# Altium PCB iCliQ_v1.PcbDoc
Units mm, origin at the board's own origin, x right, y up, seen from the top; angles counter-clockwise.
Board outline 70.5 x 34 mm, 4 copper layers (L1 (Signal), L2 (GND), L3 (GND), L4 (Signal)), stack 1.57 mm thick; 50 components, 34 nets, 172 pads, 106 vias.
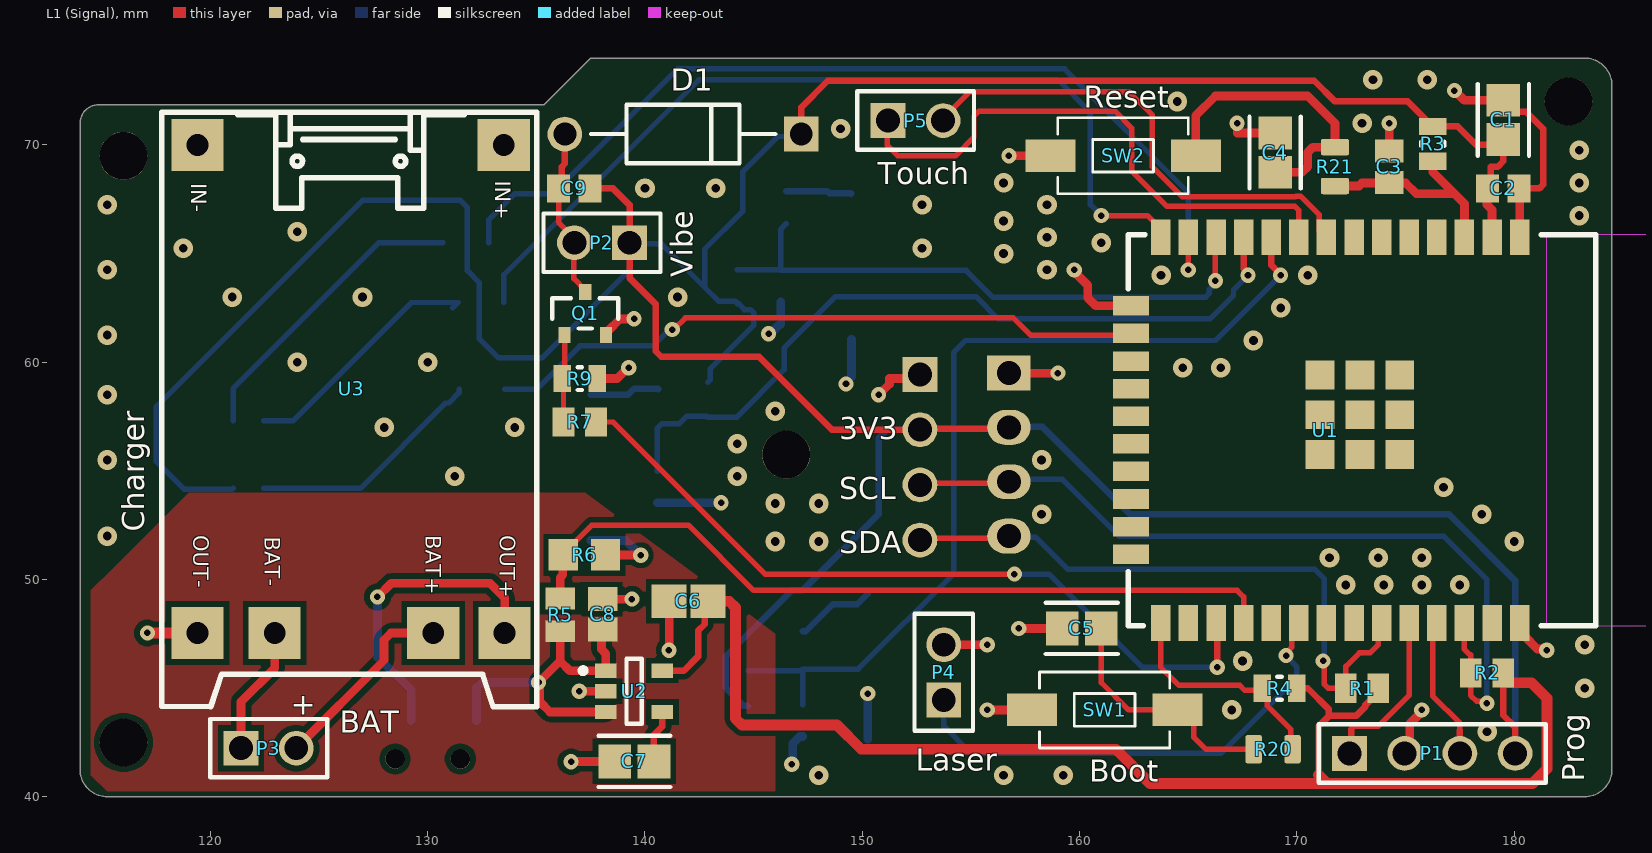
[diagram p0: L1 (Signal) view]
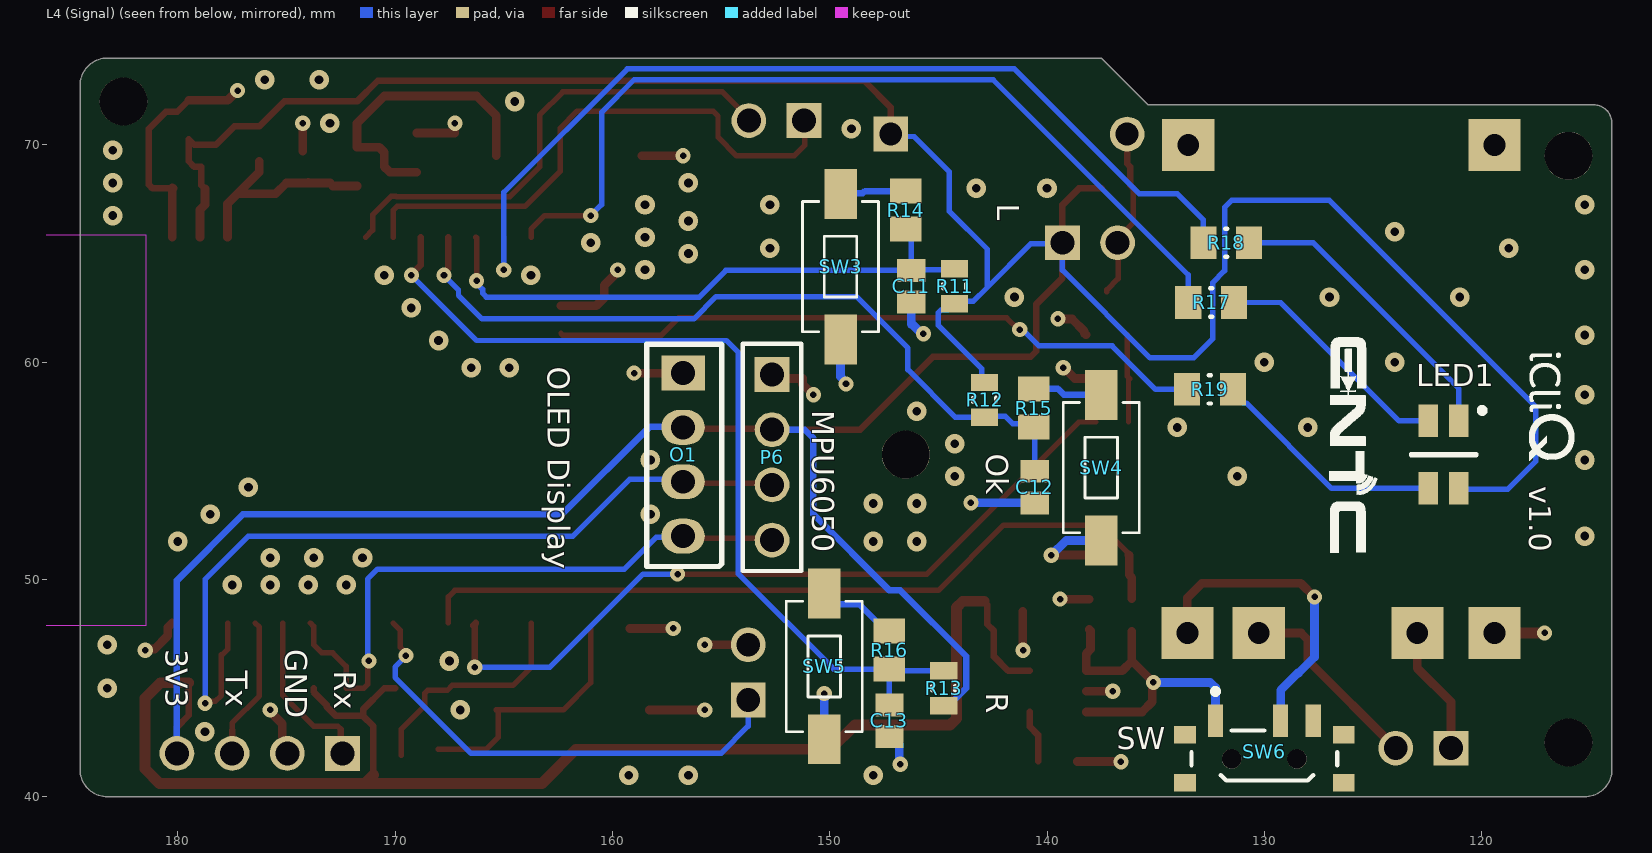
[diagram p1: L4 (Signal) view, seen from below]
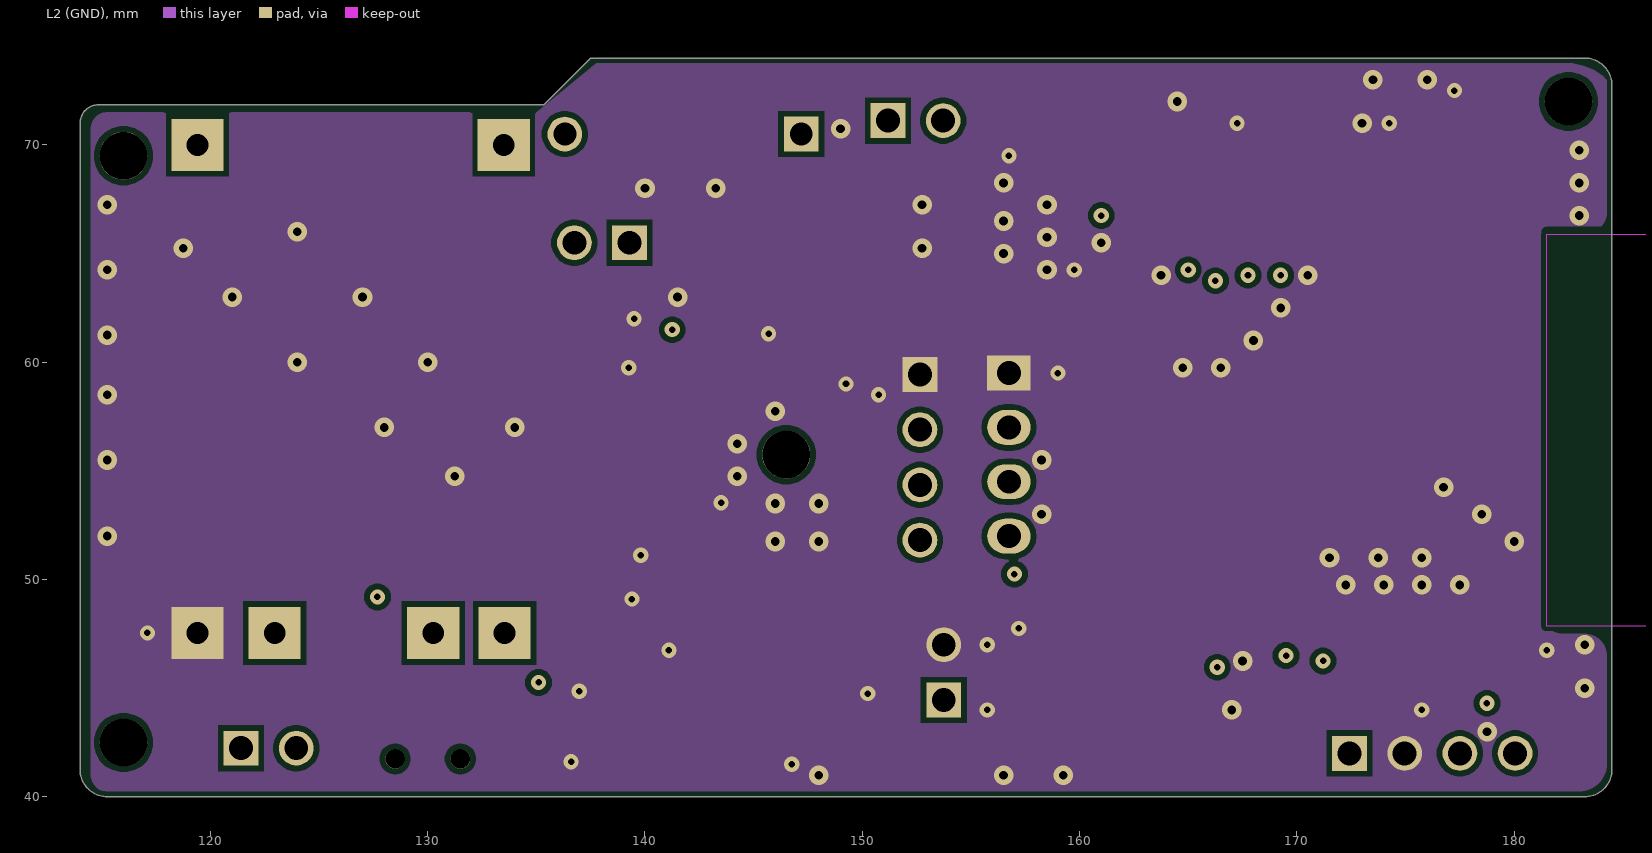
[diagram p2: L2 (GND)]
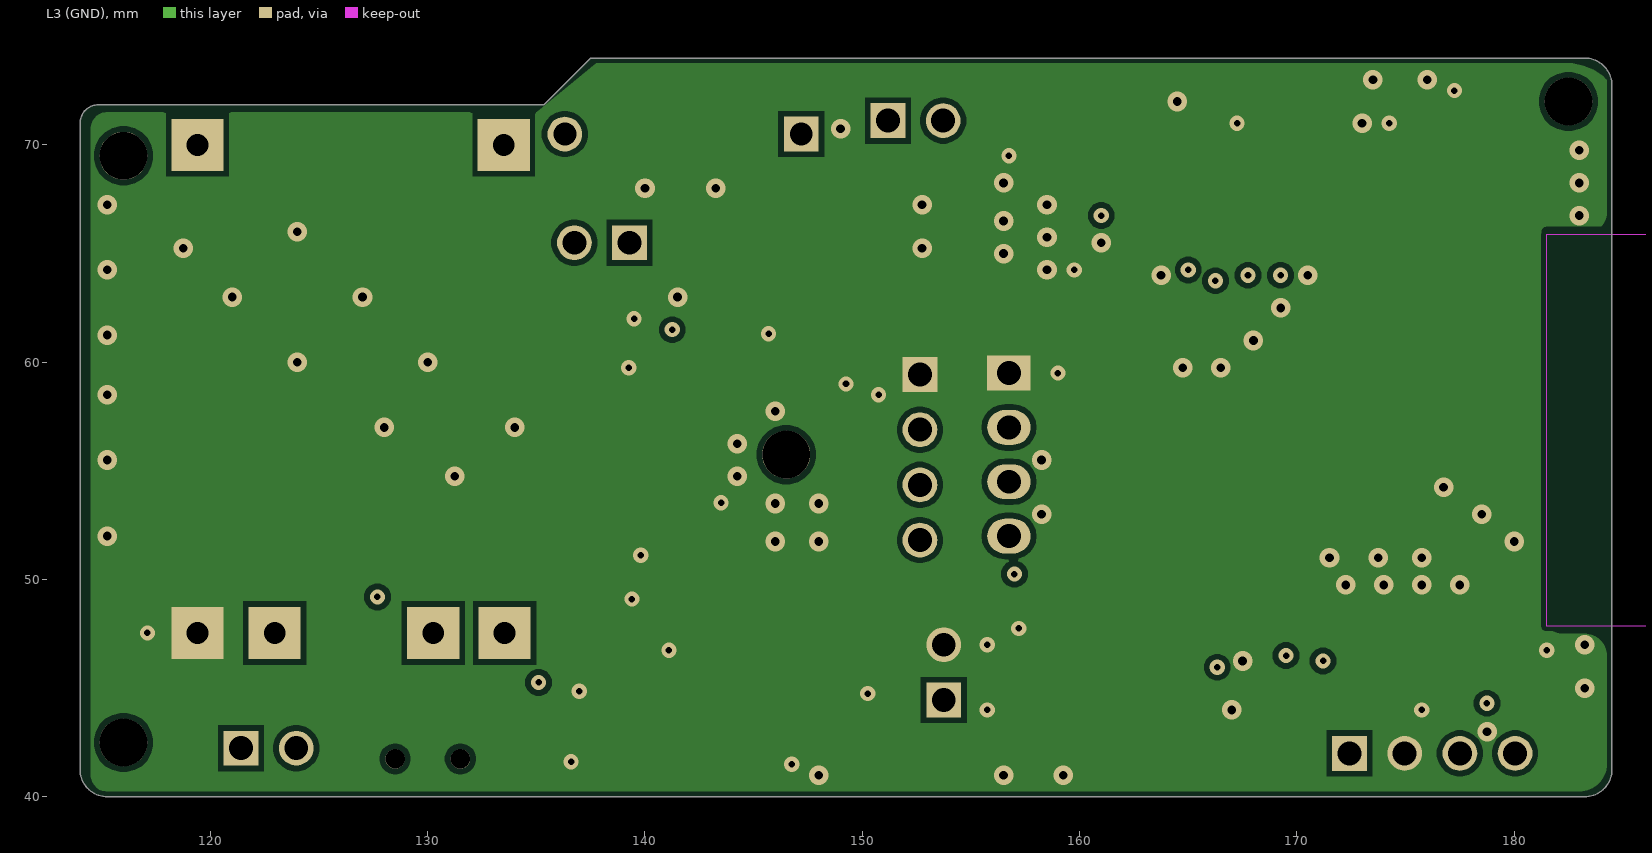
[diagram p3: L3 (GND)]
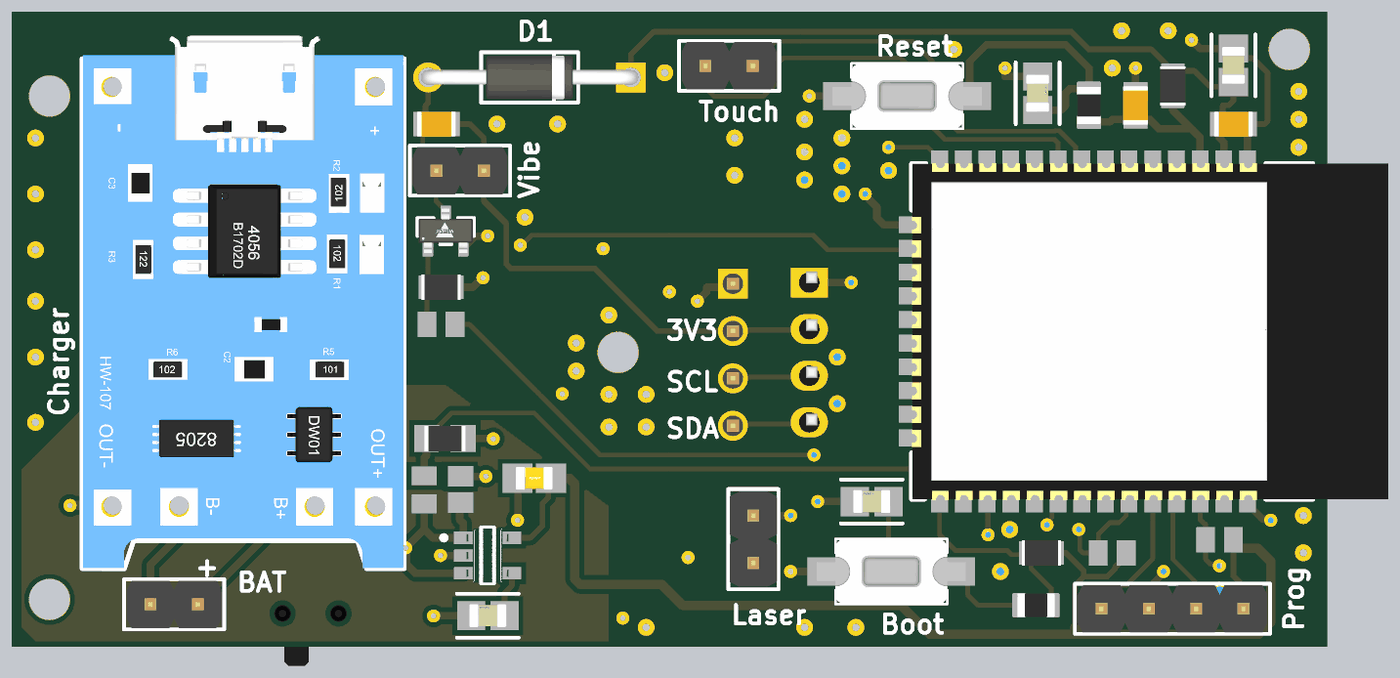
[diagram p4: 3D render of the assembled board from above, using the file's embedded part models]
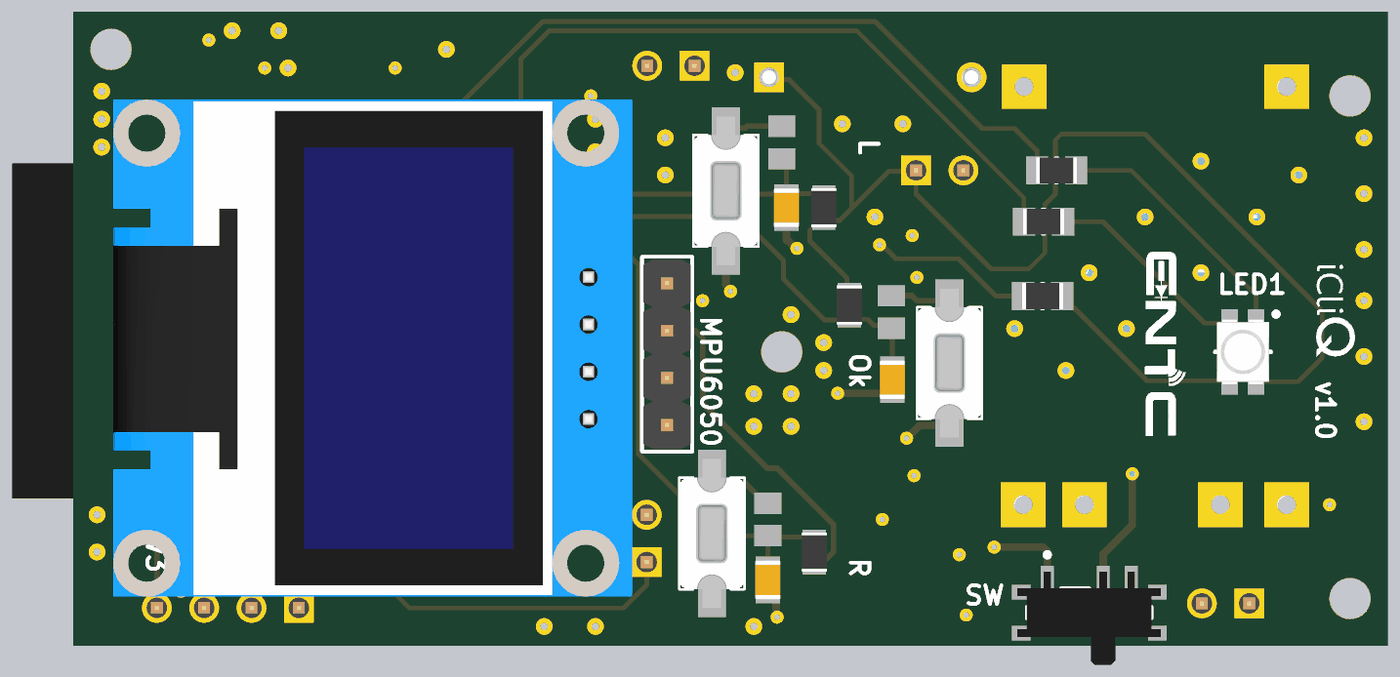
[diagram p5: 3D render of the assembled board from below, using the file's embedded part models]

## Layer stack, top to bottom
Top Solder: solder mask 0.0254, SM-001, Dk 4
L1 (Signal): signal copper 0.035
Dielectric 1: prepreg 0.2, PP-017, Dk 4.6
L2 (GND): signal copper 0.0175
Dielectric 3: core 1.065, Core-039, Dk 4.6
L3 (GND): signal copper 0.0175
Dielectric 5: prepreg 0.2, PP-017, Dk 4.6
L4 (Signal): signal copper 0.035
Bottom Solder: solder mask 0.0254, SM-001, Dk 4

## Board outline
114,41.27 114,71 cw(c114.842,71) 114.842,71.842 135.342,71.842 137.5,74 183.23,74 cw(c183.23,72.73) 184.5,72.73 184.5,41.27 cw(c183.23,41.27) 183.23,40 115.27,40 cw(c115.27,41.27)

## Design rules (kind name [scope] priority, off if disabled: settings)
Clearance [All] p1: gap=0.254 ignorepadtopadclearanceinfootprint=TRUE except(0.127: SMDPad-SMDPad; 0.2: Arc-Arc Arc-Track Arc-Text Track-Track Track-Text SMDPad-Text THPad-Text Via-Text Fill-Text Poly-Text Region-Text Text-Text Text-Hole; 0.33: Arc-THPad Track-THPad)
MinimumSolderMaskSliver [All] p1: minsoldermaskwidth=0.1
PolygonConnect [All] p1: connectstyle=Direct reliefconductorwidth=0.254 reliefentries=4 polygonreliefangle="90 Angle" airgapwidth=0.254
RoutingVias [All] p1: holewidth=0.3 width=0.7 viastyle="Through Hole" minholewidth=0.25 minwidth=0.55 maxholewidth=0.4 maxwidth=0.9
SilkToSilkClearance [All] p1: silktosilkclearance=0.15
SilkToSolderMaskClearance [IsPad] p1: minsilkscreentomaskgap=0.15 clearancetoexposedcopper=TRUE
SolderMaskExpansion [HasFootprint('No Footprint') And OnLayer('L1 (Signal)')] p1: expansion=0.038 istentingtop=FALSE
UnRoutedNet [All] p1: checkbadconnections=TRUE
Width [All] p1: maxlimit=1 minlimit=0.2 preferedwidth=0.3 midlayer1_minwidth=0.254 midlayer1_maxwidth=0.254 midlayer1_prefwidth=0.254 midlayer2_minwidth=0.254 midlayer2_maxwidth=0.254 midlayer2_prefwidth=0.254 minimp=50.000000 maximp=50.000000 favimp=50.000000
26 further rules are at their usual default settings.

## Components (designator, comment, footprint, x,y, rotation, side; value= is the part's Value field where it differs from the comment)
C1 "10uF 10V 0805" FP-C0805C-DG-IPC_A 179.5,71.151 r90 top value=10µF
C2 "Capacitor 100 nF +/-10% 50 V 0805" CAPC2013X95X50LL10T25 179.5,68 r0 top value=100nF
C3 "Capacitor 100 nF +/-10% 50 V 0805" CAPC2013X95X50LL10T25 174.25,69 r270 top value=100nF
C4 "1 nF 50V 0805" FP-C0805C-DN-IPC_A 169,69.651 r270 top value=1nF
C5 "1 nF 50V 0805" FP-C0805C-DN-IPC_A 160.099,47.75 r0 top value=1nF
C6 "2.2 uF 0805" FP-C0805C225K4RACAUTO-IPC_A 142,49 r0 top value=2.2µF
C7 "470 pF 0805" FP-C0805C-DN-IPC_A 139.51,41.631 r0 top value=470pF
C8 "1uF 10V 0805" CAPC2013X140X50LL20T25 138.049,48.398 r270 top value=1µF
C9 "Capacitor 100 nF +/-10% 50 V 0805" CAPC2013X95X50LL10T25 136.75,68 r0 top value=100nF
C11 "Capacitor 100 nF +/-10% 50 V 0805" CAPC2013X95X50LL10T25 146.25,63.5 r90 bottom value=100nF
C12 "Capacitor 100 nF +/-10% 50 V 0805" CAPC2013X95X50LL10T25 140.564,54.254 r90 bottom value=100nF
C13 "Capacitor 100 nF +/-10% 50 V 0805" CAPC2013X95X50LL10T25 147.25,43.5 r90 bottom value=100nF
D1 "1N4001-E3/54" FP-1N4001-E3-54-MFG 141.75,70.5 r180 top
LED1 "RGB LED SMD" 3528_A 121.75,55.75 r270 bottom
O1 "OLED_64" OLED_SSD1306_64 156.75,59.5 r180 bottom locked
P1 "4 pin Header" 61300411121 176.23,42 r0 top
P2 "2 pin header" 61300211121 138.02,65.5 r180 top
P3 "BAT_pins" 61300211121 122.682,42.24 r0 top
P4 "2 pin header" 61300211121 153.75,45.73 r90 top
P5 "Touch Pins" 61300211121 152.451,71.12 r0 top
P6 "MPU6050" 61300411121 152.654,55.626 r270 bottom
Q1 "SI2302 MOSFET" FP-S-03946-MFG 137.25,62.25 r90 top
R1 "2.2K 0805" RESC2013X60X40LL20T25 173,45 r0 top value=2.2k
R2 "2.2K 0805" RESC2013X60X40LL20T25 178.75,45.7 r0 top value=2.2k
R3 "10K 0805" RESC2013X60X35LL10T20 176.25,70.05 r90 top value=10k
R4 "10K 0805" RESC2013X60X35LL10T20 169.2,45 r0 top value=10k
R5 "27K 0805" RESC2013X60X40LL20T25 136.093,48.375 r270 top value=27k
R6 "Resistor 100k +/-1% 0805 125 mW" RESC2013X70X40ML20T20 137.211,51.13 r180 top value=100k
R7 "100 Ohm 0805" RESC2013X60X40LL20T25 137,57.25 r180 top value=100
R9 "10K 0805" RESC2013X60X35LL10T20 137,59.25 r180 top value=10k
R11 "10K 0805" RESC2013X60X35LL10T20 144.25,63.5 r270 bottom value=10k
R12 "10K 0805" RESC2013X60X35LL10T20 142.875,58.268 r90 bottom value=10k
R13 "10K 0805" RESC2013X60X35LL10T20 144.75,45 r270 bottom value=10k
R14 "Resistor 1K +/-5% 0805 500 mW." RESC2013X70X40NL20T20 146.5,67 r270 bottom value=1k
R15 "Resistor 1K +/-5% 0805 500 mW." RESC2013X70X40NL20T20 140.614,57.887 r270 bottom value=1k
R16 "Resistor 1K +/-5% 0805 500 mW." RESC2013X70X40NL20T20 147.25,46.75 r270 bottom value=1k
R17 "Resistor 0R +/- 1% 0805 125 mW" RESC2013X50X35ML15T15 132.45,62.75 r0 bottom value="120 Ohm"
R18 "Resistor 0R +/- 1% 0805 125 mW" RESC2013X50X35ML15T15 131.75,65.5 r0 bottom value="180 Ohm"
R19 "Resistor 0R +/- 1% 0805 125 mW" RESC2013X50X35ML15T15 132.5,58.75 r0 bottom value="120 Ohm"
R20 "Resistor 470R +/-5% 0805 125 mW" RESC0805(2012)_L 168.91,42.189 r0 top value=470
R21 "Resistor 470R +/-5% 0805 125 mW" RESC0805(2012)_L 171.75,69 r270 top value=470
SW1 "nav button" 434121050816 161.15,44 r0 top
SW2 "nav button" 434121050816 162,69.5 r0 top
SW3 "nav button" 434121050816 149.5,64.4 r90 bottom
SW4 "nav button" 434121050816 137.5,55.15 r90 bottom
SW5 "nav button" 434121050816 150.25,46 r90 bottom
SW6 "Switch_ALPS_SSSS811101_eec" ALPS_SSSS811101_0 130,41 r180 bottom
U1 "ESP32-WROOM-32D" ESP32-WROOM-32D 175.025,56.888 r270 top
U2 "3.3v LDO" FP-SOT23-5LD-PL-1-MFG 139.497,44.856 r0 top
U3 "TP4056_6PINS" TP4056_6PINs 126.388,58.062 r0 top locked

## Footprints (in the part's own frame and the unit in brackets; to place one, negate y for a bottom-side part, rotate by r counter-clockwise, add the part's x,y. Pads: shape width x height; smd on the part's side, far side on the other; paste and mask are expansions set on the pad)
3528_A [mm] "Chip LED, 4-Leads, Body 2.8x3.5mm (max), Pitch 1.42mm, IPC Medium Density"
  rect 1.5x0.9 smd: 1(1.55,0.707) 2(1.55,-0.71) 3(-1.55,0.707) 4(-1.55,-0.707)
  silkscreen extent -2.15,-1.5 0.03,1.9, body extent -1.75,-1.4 1.75,1.4, height 1.87
61300211121 [mm] "Pin Header, pitch 2.54 mm, THT, Vertical, single row, 2p"
  rect 1.6x1.6 hole 1.1: 1(-1.27,0)
  round 1.6 hole 1.1: 2(1.27,0)
  silkscreen extent -2.69,-1.35 2.69,1.35, body extent -2.54,-1.27 2.54,1.27, height 8.57
61300411121 [mm] "Pin Header, pitch 2.54 mm, THT, Vertical, single row, 4p"
  rect 1.6x1.6 hole 1.1: 1(-3.81,0)
  round 1.6 hole 1.1: 2(-1.27,0) 3(1.27,0) 4(3.81,0)
  silkscreen extent -5.23,-1.35 5.23,1.35, body extent -5.08,-1.27 5.08,1.27, height 8.57
434121050816 [mm] "6.0*3.5mm vertical type, SMD, height 5.0mm, black actuator, 160gf, T&R"
  rect 2.3x1.5 smd: 1(-3.35,0) 2(3.35,0)
  silkscreen extent -3,-1.75 3,1.75, body extent -4,-1.75 4,1.75, height 5
ALPS_SSSS811101_0 [mm]
  rect 0.7x1.5 smd paste+0 mask+0: 1(-2.25,2.5) 2(0.75,2.5) 3(2.25,2.5)
  rect 1x0.8 smd paste+0 mask+0: 4(-3.65,-0.35) 4(-3.65,1.85) 4(3.65,-0.35) 4(3.65,1.85)
  round 0.9 hole 0.9 unplated paste-1000 mask+0: ""(-1.5,0.75) ""(1.5,0.75)
  silkscreen extent -3.35,-0.25 3.35,3.97, body extent -3.85,-2.05 3.85,2.95, height 1.41
CAPC2013X95X50LL10T25 [mm] "Chip Capacitor, 2-Leads, Body 2.10x1.35mm, IPC High Density"
  rect 1.05x1.3 smd: 1(-0.725,0) 2(0.725,0)
  body extent -1.05,-0.67 1.05,0.67, height 0.95
CAPC2013X140X50LL20T25 [mm] "Chip Capacitor, 2-Leads, Body 2.00x1.25mm, IPC High Density"
  rect 1.1x1.35 smd: 1(-0.7,0) 2(0.7,0)
  body extent -1.1,-0.72 1.1,0.72, height 1.4
ESP32-WROOM-32D [mm] "Chip SMD 39 Pads 18x25.5mm w/ Antenna."
  rect 1.65x0.9 smd: 1(-8.862,5.224) 2(-8.862,3.954) 3(-8.862,2.684) 4(-8.862,1.414) 5(-8.862,0.144) 6(-8.862,-1.126) 7(-8.862,-2.396) 8(-8.862,-3.666) 9(-8.862,-4.936) 10(-8.862,-6.206) 11(-8.862,-7.476) 12(-8.862,-8.746) 13(-8.862,-10.016) 14(-8.862,-11.286) 25(8.888,-11.286) 26(8.888,-10.016) 27(8.888,-8.746) 28(8.888,-7.476) 29(8.888,-6.206) 30(8.888,-4.936) 31(8.888,-3.666) 32(8.888,-2.396) 33(8.888,-1.126) 34(8.888,0.144) 35(8.888,1.414) 36(8.888,2.684) 37(8.888,3.954) 38(8.888,5.224)
  rect 0.9x1.65 smd: 15(-5.707,-12.661) 16(-4.437,-12.661) 17(-3.167,-12.661) 18(-1.897,-12.661) 19(-0.627,-12.661) 20(0.643,-12.661) 21(1.913,-12.661) 22(3.183,-12.661) 23(4.453,-12.661) 24(5.723,-12.661)
  rect 1.33x1.33 smd: 39(-2.531,-0.292) 39(-2.531,-2.127) 39(-2.531,-3.962) 39(-0.696,-3.962) 39(-0.696,-0.292) 39(-0.696,-2.127) 39(1.139,-0.292) 39(1.139,-2.127) 39(1.139,-3.962)
  Keep-Out Layer region: -8.987,6.45 9.013,6.45 9.013,12.75 -8.987,12.75
  silkscreen extent -8.99,-12.79 9.01,8.72, body extent -9.02,-12.77 9.05,12.77, height 3
FP-1N4001-E3-54-MFG [mm]
  rect 1.6x1.6 hole 1.05 paste-1000 mask+0: 1(-5.438,0)
  round 1.6 hole 1.05 paste-1000 mask+0: 2(5.438,0)
  silkscreen extent -4.24,-1.35 4.24,1.35, body extent -5.83,-1.17 5.83,1.17, height 2.35
FP-C0805C225K4RACAUTO-IPC_A [mm]
  rect 1.603x1.556 smd paste+0 mask+0: 1(-0.9,0) 2(0.9,0)
  body extent -2.2,-1.28 2.2,1.28, height 0.25
FP-C0805C-DG-IPC_A [mm]
  rect 1.505x1.556 smd paste+0 mask+0: 1(-0.901,0) 2(0.901,0)
  silkscreen extent -1.65,-1.18 1.65,1.18, body extent -2.15,-1.28 2.15,1.28, height 0.25
FP-C0805C-DN-IPC_A [mm]
  rect 1.505x1.556 smd paste+0 mask+0: 1(-0.901,0) 2(0.901,0)
  silkscreen extent -1.65,-1.18 1.65,1.18, body extent -2.15,-1.28 2.15,1.28, height 0.25
FP-S-03946-MFG [mil]
  rect 29x22 smd paste+0 mask+0: 1(-39,37.5) 2(-39,-37.5) 3(39,0)
  silkscreen extent -28,-60 28,60, body extent -57,-64 57,64, height 10
FP-SOT23-5LD-PL-1-MFG [mm]
  rect 1x0.66 smd paste+0 mask+0: 1(-1.3,0.95) 2(-1.3,0) 3(-1.3,-0.95) 4(1.3,-0.95) 5(1.3,0.95)
  silkscreen extent -2.47,-1.5 0.35,1.5, body extent -1.4,-1.45 1.4,1.45, height 1.45
OLED_SSD1306_64 [mm]
  rect 2x1.6 hole 1.1: 1(0,0)
  oval 2x1.6 hole 1.1: 2(0,-2.5) 3(0,-5) 4(0,-7.5)
  silkscreen extent -1.68,-8.9 1.78,1.33, body extent -25.63,-16.9 2.23,9.8, height 8.47
RESC0805(2012)_L [mm] "Chip Resistor, Body 2.0x1.3mm, IPC High Density"
  rrect25% 0.76x1.3 smd: 1(-0.9,0) 2(0.89,0)
  body extent -1,-0.62 1,0.63, height 0.6
RESC2013X50X35ML15T15 [mm] "Chip Resistor, 2-Leads, Body 2.2x1.4mm, IPC Low Density"
  rect 1.2x1.5 smd: 1(-1.05,0) 2(1.05,0)
  silkscreen extent -0.05,-0.65 0.05,0.65, body extent -1.1,-0.7 1.1,0.7, height 0.5
RESC2013X60X35LL10T20 [mm] "Chip Resistor, 2-Leads, Body 2.1x1.35mm, IPC High Density"
  rect 0.8x1.25 smd: 1(-0.8,0) 2(0.8,0)
  silkscreen extent -0.1,-0.53 0.1,0.53, body extent -1.05,-0.67 1.05,0.68, height 0.6
RESC2013X60X40LL20T25 [mm] "Chip Resistor, 2-Leads, Body 2.00x1.25mm, IPC High Density"
  rect 1x1.35 smd: 1(-0.75,0) 2(0.75,0)
  body extent -1.1,-0.72 1.1,0.72, height 0.6
RESC2013X70X40ML20T20 [mm] "Chip Resistor, 2-Leads, Body 2.2x1.35mm, IPC Low Density"
  rect 1.35x1.45 smd: 1(-0.975,0) 2(0.975,0)
  body extent -1.1,-0.67 1.1,0.67, height 0.7
RESC2013X70X40NL20T20 [mm] "Chip Resistor, 2-Leads, Body 2.00x1.25mm, IPC Medium Density"
  rect 1.15x1.45 smd: 1(-0.875,0) 2(0.875,0)
  body extent -1.1,-0.72 1.1,0.72, height 0.7
TP4056_6PINs [mm] "MODULE BATTERY CHARGER 6 PINS"
  rect 2.4x2.4 hole 1: 1(-6.985,-10.52) 2(-3.431,-10.52) 3(3.87,-10.52) 4(7.151,-10.52) 5(7.112,11.938) 6(-6.985,11.938)
  silkscreen extent -8.64,-13.92 8.64,13.44, body extent -8.6,-13.88 8.6,14.67, height 4.22

## Part data
C1: library part CMP-001-00085-1, "Ceramic Capacitor, Multilayer, Ceramic, 10V, 10% +Tol, 10% -Tol, X5R, 15% TC, 10uF, Surface Mount, 0805", Capacitor Type=Ceramic, Case/Package=0805, Max Operating Temperature=85°C, Min Operating Temperature=-55°C, Mounting Technology="Surface Mount", Pins=2, RoHS Compliant=Yes
C2 C3 C9 C11 C12 C13: library part CMP-001-00018-6, "Chip Capacitor, 100 nF, +/- 10%, 50 V, 0805 (2012 Metric)", Capacitor Type=Ceramic, Case/Package=0805, Max Operating Temperature=125°C, Min Operating Temperature=-55°C, Tolerance=10%, Voltage Rating=50V, Mounting Technology=SM, Pins=2, RoHS Compliant=True
C4 C5: library part CMP-001-00087-1, "Ceramic Capacitor, Multilayer, Ceramic, 50V, 5% +Tol, 5% -Tol, C0G, 30ppm/Cel TC, 0.001uF, Surface Mount, 0805", Capacitor Type=Ceramic, Case/Package=0805, Max Operating Temperature=125°C, Min Operating Temperature=-55°C, Mounting Technology="Surface Mount", Pins=2, RoHS Compliant=Yes
C6: library part CMP-001-00091-1, "Ceramic Capacitor, Multilayer, Ceramic, 16V, 10% +Tol, 10% -Tol, X7R, 15% TC, 2.2uF, Surface Mount, 0805", Capacitor Type=Ceramic, Case/Package=0805, Max Operating Temperature=125°C, Min Operating Temperature=-55°C, Mounting Technology="Surface Mount", Pins=2, RoHS Compliant=Yes
C7: library part CMP-001-00088-1, "Ceramic Capacitor, Multilayer, Ceramic, 50V, 10% +Tol, 10% -Tol, X7R, 15% TC, 0.00047uF, Surface Mount, 0805", Capacitor Type=Ceramic, Case/Package=0805, Max Operating Temperature=125°C, Min Operating Temperature=-55°C, Mounting Technology="Surface Mount", Pins=2, RoHS Compliant=Yes
C8: library part CMP-001-00086-1, "Ceramic Capacitor, Multilayer, Ceramic, 10V, 5% +Tol, 5% -Tol, X8L, 15% TC, 1uF, Surface Mount, 0805", Capacitor Type=Ceramic, Case/Package=0805, Max Operating Temperature=150°C, Min Operating Temperature=-55°C, Mounting Technology="Surface Mount", Pins=2, RoHS Compliant=Yes
D1: library part CMP-004-00031-1, "Rectifier Diode, 1 Phase, 1 Element, 1A, 50V V(RRM), Silicon, DO-204AL", Forward Voltage=1.1V, Max Operating Temperature=150°C, Min Operating Temperature=-50°C, Pins=2, RoHS Compliant=Yes
LED1: library part CMP-00030-00002-1, "Triple Color LED, Red/green/blue, Water Clear", RoHS Compliant=Yes
O1: "JST (JAPAN SOLDERLESS TERMINALS) - B8B-XH-A (LF)(SN) - HEADER, VERTICAL, 8WAY", Manufacturer=JST, Manufacturer Part Number=B8B-XH-A(LF)(SN), Supplier Part Number 1=455-2251-ND, ComponentLink1Description=https://www.verical.com/server-webapp/html/getDatasheet?partID=440408&src-supplier=Verical, ComponentLink1URL=https://www.verical.com/server-webapp/html/getDatasheet?partID=440408&src-supplier=Verical, No of Positions=8, Pitch="2.5 mm", Pricing 1="1=0.36, 10=0.341, 100=0.2387, 500=0.2046, 1000=0.1705, 5000=0.1461, 10000=0.1364 (USD)", Stock 1=29643, Style/Orientation="Straight Header/Plug", Supplier 1=Digi-Key, Termination=Crimp, Type="Shrouded Header"
P1 P6: library part CMP-002-00078-1, "Board Connector, 4 Contact(s), 1 Row(s), Male, Straight, 0.1 inch Pitch, Solder Terminal, Locking, Black Insulator, Plug", Max Operating Temperature=125°C, Min Operating Temperature=-40°C, Connector Type="BOARD CONNECTOR", Mounting Technology=Board, RoHS Compliant=Yes
P2 P3 P4 P5: library part CMP-002-00075-1, "Board Connector, 2 Contact(s), 1 Row(s), Male, Straight, 0.1 inch Pitch, Solder Terminal, Locking, Black Insulator, Plug", Max Operating Temperature=125°C, Min Operating Temperature=-40°C, Connector Type="BOARD CONNECTOR", Mounting Technology=Board, RoHS Compliant=Yes
Q1: library part CMP-011-00017-1, "Small Signal Field-Effect Transistor, 2.6A I(D), 20V, 1-Element, N-Channel, Silicon, Metal-oxide Semiconductor FET, TO-236AB", Max Operating Temperature=150°C, Pins=3, RoHS Compliant=Yes
R1 R2: library part CMP-009-00187-1, "Fixed Resistor, Thin Film, 0.125W, 2200ohm, 100V, 0.5% +/-Tol, 25ppm/Cel, Surface Mount, 0805", Case/Package=0805, Max Operating Temperature=155°C, Min Operating Temperature=-55°C, Power=125mW, Tolerance=0.5%, Mounting Technology="Surface Mount", Pins=2, RoHS Compliant=Yes
R3 R4 R11 R12 R13: library part CMP-009-00180-1, "Fixed Resistor, Metal Glaze/thick Film, 0.125W, 10000ohm, 150V, 1% +/-Tol, 100ppm/Cel, Surface Mount, 0805", Case/Package=0805, Max Operating Temperature=155°C, Min Operating Temperature=-55°C, Power=125mW, Tolerance=1%, Mounting Technology="Surface Mount", Pins=2, RoHS Compliant=Yes
R5: library part CMP-009-00191-1, "Fixed Resistor, Thin Film, 0.125W, 27000ohm, 100V, 0.1% +/-Tol, 25ppm/Cel, Surface Mount, 0805", Case/Package=0805, Max Operating Temperature=155°C, Min Operating Temperature=-55°C, Power=125mW, Tolerance=0.1%, Mounting Technology="Surface Mount", Pins=2, RoHS Compliant=Yes
R6: library part CMP-009-00024-5, "Chip Resistor, 100 KOhm, +/- 1%, 0.125 W, -55 to 155 degC, 0805 (2012 Metric)", Case/Package=0805, Max Operating Temperature=155°C, Min Operating Temperature=-55°C, Power=125mW, Tolerance=1%, Voltage Rating=150V, Mounting Technology=SM, Pins=2, RoHS Compliant=True
R7: library part CMP-009-00189-1, "Fixed Resistor, Thin Film, 0.125W, 100ohm, 100V, 0.1% +/-Tol, 25ppm/Cel, Surface Mount, 0805", Case/Package=0805, Max Operating Temperature=155°C, Min Operating Temperature=-55°C, Power=125mW, Tolerance=0.1%, Mounting Technology="Surface Mount", Pins=2, RoHS Compliant=Yes
R9: library part CMP-009-00181-1, "Fixed Resistor, Metal Glaze/thick Film, 0.125W, 10000ohm, 150V, 1% +/-Tol, 100ppm/Cel, Surface Mount, 0805", Case/Package=0805, Max Operating Temperature=155°C, Min Operating Temperature=-55°C, Power=125mW, Tolerance=1%, Mounting Technology="Surface Mount", Pins=2, RoHS Compliant=Yes
R14 R15 R16: library part CMP-009-00178-1, "Fixed Resistor, Metal Glaze/thick Film, 0.5W, 1000ohm, 400V, 5% +/-Tol, 200ppm/Cel, Surface Mount, 0805", Case/Package=0805, Max Operating Temperature=155°C, Min Operating Temperature=-55°C, Power=500mW, Tolerance=5%, Mounting Technology="Surface Mount", Pins=2, RoHS Compliant=Yes
R17 R18 R19: library part CMP-009-00001-5, "Chip Resistor, 0 Ohm, +/- 1%, 125 mW, -55 to 155 degC, 0805 (2012 Metric)", Case/Package=0805, Max Operating Temperature=155°C, Min Operating Temperature=-55°C, Power=125mW, Tolerance=1%, Voltage Rating=150V, Mounting Technology=SM, Pins=2, RoHS Compliant=True
R20 R21: library part CMP-009-00122-3, "Chip Resistor, 470 Ohms, +/-5%, 125 mW, -55 to 155 degC, 0805", Case/Package=0805, Max Operating Temperature=155°C, Min Operating Temperature=-55°C, Power=125mW, Tolerance=5%, Pins=2
SW1 SW2 SW3 SW4 SW5: library part CMP-011-00016-1, "Keypad Switch, 1 Switches, SPST, Momentary-tactile, 0.05A, 12VDC, 2.06N, Solder Terminal, Surface Mount-straight", Max Operating Temperature=85°C, Min Operating Temperature=-40°C, Mounting Technology="Surface Mount", RoHS Compliant=Yes
SW6: Contact resistance=70mΩ, Manufacturer=ALPS, Mouser Part Number=688-SSSS811101, Package=SMD_SW_SPDT, Part Number=ON/OFF, Rating (max.)/(min.) (Resistive load)="0.3A 5V DC/50µA 3V DC", Temperature="-40°C to +85°C", Temperature Range High=+85°C, Temperature Range Low=-40°C, ComponentLink1Description=Upverter, ComponentLink1URL=https://upverter.com/upn/revision/f852cec42ba360d8/, ComponentLink2Description=Datasheet, ComponentLink2URL=http://www.alps.com/prod/info/E/HTML/Switch/Slide/SSSS8/SSSS811101.html, helpURL=https://upverter.com/upn/revision/f852cec42ba360d8/, Lead Free=yes, RoHS=TRUE, Supplier 1=Digi-Key, Supplier 2=Mouser, Supplier Part Number 2=688-SSSS811101
U1: library part CMP-016-000004-1, "Chip SMD 39 Pads Wifi 2.4GHz BLE 4.2 18x25.5mm w/ Antenna.", JLCPCB PN=C82899, Component Type=Standard, ComponentLink1Description=Datasheet, ComponentLink1URL=https://www.mouser.com/datasheet/2/891/esp32_wroom_32d_esp32_wroom_32u_datasheet_en-1365844.pdf, Design Item ID=ESP32-WROOM-32D, Digikey PN=1965-ESP32-WROOM-32D-N8CT-ND, Mouser PN=ESP32-WROOM-32D-N4, Pin Count=39, Source="Espressif Microcontrollers.SchLib"
U2: library part CMP-021-000001-1, "IC REG LDO 3.3V 0.5A SOT23-5"
U3: library part CMP-00029-00003-2, "MODULE BATTERY CHARGER 6 PINS", Component Type=Standard, Design Item ID=TP4056_6PINS, Pins=6, Source=Random.SchLib

## Free pads (board coordinates)
  round 2.2 hole 2.2: MH(116,42.5) MH(116,69.5) MH(146.5,55.75) MH(182.5,72)

## Via types
v1: diameter 0.9, hole 0.4, L1 (Signal) to L4 (Signal), 68 vias
v2: diameter 0.7, hole 0.3, L1 (Signal) to L4 (Signal), 38 vias

## Nets (pads, with @x,y where several pads share a name; then routed paths per layer and width w, separated by ;. In a path a pad name is that pad's centre, name@x,y a point inside that pad or via, vN(x,y) a via of type N, cw(c..) or ccw(c..) an arc to the next point about the centre after c; other vN are vias at no path point)
3V3: C1.1 C2.1 C6.2 C9.2 D1.1 LED1.1 O1.2 P1.4 P2.1 P6.2 R1.2 R2.2 R3.2 R4.2 R11.2 R12.2 R13.2 U1.2 U2.5 | length 250
  L1 (Signal) w0.3: C9.2 138.527,68 139.29,67.237 P2.1 139.29,63.876 140.504,62.662 140.504,61.688 140.496,61.68 140.496,60.504 140.75,60.25 145.25,60.25 148.604,56.896 P6.2 152.706,56.948 156.698,56.948 O1.2 ; U2.5 141.793,45.806 142.443,46.457 142.443,47.641 142.75,47.948 142.75,48.85 C6.2 ; D1.1 147.188,71.725 148.412,72.949 170.801,72.949 171.75,72 175.1,72 R3.2 177.4,70.85 178.25,70 179.25,70 C1.1 179.5,69.25 179.25,69 178.926,69 178.926,68.151 C2.1 C2.1@178.75,67.975 ; R4.2 170.5,45 171.475,44.025 171.475,43.725 ; 171,41 171,43.25 171.475,43.725 ; R1.2 173.75,44.825 173.154,44.229 173.154,44.158 172.721,43.725 171.475,43.725 ; R2.2@179.5,45.25 179.5,43.75 180.04,43.21 P1.4
  L1 (Signal) w0.4: C2.1@178.75,67.975 178.75,67.25 178.98,67.02 U1.2
  L1 (Signal) w0.5: C6.2 143.878,49 144.17,48.707 144.17,43.597 144.463,43.304 148.837,43.304 149.952,42.189 161.671,42.189 163.24,40.62 171.38,40.62 ; 171,41 171.04,40.96 171.38,40.62 ; R2.2@179.5,45.25 180.797,45.25 181.508,44.538 181.508,41.293 180.836,40.62 171.38,40.62
  L4 (Signal) w0.25: LED1.1 120.993,54.15 118.8,54.15 117.5,55.45 117.5,57.95 127,67.45 131.5,67.45 131.821,67.129 131.821,64.215 132.379,63.657 132.379,61.071 133.25,60.2 135.25,60.2 139.29,64.24 P2.1 139.34,65.45 140.75,65.45 142.75,63.45 ; R12.2 142.996,59.189 142.996,59.696 145,61.7 145,62.279 144.854,62.425 144.575,62.425 R11.2@144.25,62.75 ; R11.2 144.146,62.804 143.396,62.804 142.75,63.45 ; D1.1 147.076,70.388 146.114,70.388 144.5,68.774 144.5,66.95 142.75,65.2 142.75,63.45
  L4 (Signal) w0.3: R13.2 144.525,44.2 143.721,45.004 143.721,46.471 146.75,49.5 147.25,49.5 150.75,53 150.75,56.5 151.146,56.896 P6.2 ; O1.2@156.36,57 O1.2 156.773,57.023 158.293,57.023 162.316,53 177,53 180.04,49.96 P1.4
3V7: C8.2 R5.2 SW6.1 U2.1 U2.3 | length 15.7
  L1 (Signal) w0.4: R5.2 136.093,46.253 ; C8.2 137.998,47.647 137.998,46.787 138.197,46.588 U2.1 136.54,45.806 136.093,46.253 ; U2.3 135.626,43.906 135.16,44.372 135.16,45.205 v2(135.103,45.263) 136.093,46.253
  L4 (Signal) w0.4: SW6.1 132.25,45.028 132.484,45.263 v2(135.103,45.263)
3V7_in: SW6.2 U3.4 | length 14.4
  L1 (Signal) w0.4: v2@127.635,49.2 v2(127.686,49.2) 128.321,49.835 132.867,49.835 133.539,49.163 U3.4
  L4 (Signal) w0.4: v2(127.686,49.2) 127.686,46.431 128.422,45.695 128.455,45.695 129.25,44.9 SW6.2
BAT_lvl: R5.1 R6.2 U1.28 | length 36.5
  L1 (Signal) w0.25: R6.2 136.236,51.18 137.556,52.5 142,52.5 145,49.5 167.25,49.5 167.55,49.2 U1.28
  L1 (Signal) w0.4: R5.1 136.093,50.089 136.22,50.216 136.22,51.115 R6.2
Blue: R19.2 U1.16 | length 30.5
  L1 (Signal) w0.25: v2(141.25,61.5) 141.317,61.5 141.858,62.041 156.959,62.041 157.75,61.25 162.29,61.25 U1.16
  L4 (Signal) w0.25: R19.2 135,58.75 137,60.75 140.378,60.75 141.128,61.5 v2(141.25,61.5)
BOOT: R4.1 R20.2 U1.25 | length 10.7
  L1 (Signal) w0.25: U1.25 163.74,45.962 164.573,45.129 167.371,45.129 167.6,44.9 168.5,44.9 168.641,44.759 168.641,44.186 169.725,43.102 R20.2@169.725,41.915
EN: C3.2 R3.1 R21.2 U1.3 | length 9.9
  L1 (Signal) w0.4: R21.2 172.86,68.11 173,68.25 173.975,68.25 174,68.275 174.025,68.25 175,68.25 175.5,67.75 177.25,67.75 ; R3.1 176.25,68.75 177.25,67.75 ; U1.3 177.71,67.29 177.25,67.75
GND: C1.2 C2.2 C3.1 C4.1 C5.1 C6.1 C7.1 C8.1 C11.1 C12.1 C13.1 O1.1 P1.2 P4.2 P6.1 Q1.2 R6.1 R9.1 SW1.1 SW2.1 SW3.1 SW4.1 SW5.1 U1.1 U1.15 U1.38 U2.2 U3.1 | length 62.6
  L1 (Signal) w0.3: C1.2 180.023,71.529 180.544,71.529 181.334,70.738 181.334,68.176 181.159,68 C2.2
  L1 (Signal) w0.4: v2@136.6,41.6 v2(136.6,41.615) 136.6,41.631 C7.1 ; v2(136.972,44.856) U2.2 ; R9.1 138.727,59.25 139.227,59.75 v2(139.25,59.75) ; C8.1 C8.1 139.399,49.099 v2(139.4,49.1) ; R6.1 139.8,51.13 v2(139.8,51.115) v2@139.8,51.1 ; Q1.2 138.282,61.339 138.282,61.428 138.848,61.993 139.493,61.993 v2(139.5,62) ; v2(141.1,46.75) 141.122,46.772 C6.1@141.122,48.526 ; v2(150.75,58.5) 151.25,59 151.25,59.25 152.468,59.25 P6.1 ; P4.2 v2(155.75,47) ; v2(155.75,44) SW1.1@158.3,44 ; O1.1 v2(159,59.5) ; v2(156.75,69.5) SW2.1 ; v2@157.2,47.8 v2(157.2,47.75) C5.1 ; v2(159.75,64.25) 159.75,64.169 160.373,63.546 160.373,62.972 160.75,62.595 U1.15 ; v2(167.25,71) 167.25,70.552 C4.1 ; C3.1 v2(174.25,71) ; P1.2 175.19,42.23 175.19,43.358 175.75,43.919 v2(175.75,44) ; v2(177.25,72.5) 177.698,72.052 C1.2 ; C2.2 180.25,68.025 U1.1 ; U1.38 180.458,47.792 180.458,47.417 181.068,46.807 181.443,46.807 v2(181.5,46.75)
  L1 (Signal) w0.5: v2@117.1,47.6 v2(117.1,47.542) U3.1
  L4 (Signal) w0.3: P6.1 P6.1@152.832,59.258
  L4 (Signal) w0.4: SW4.1 139.115,51.8 v2(139.8,51.115) ; C12.1 v2(143.5,53.529) v2@143.5,53.5 ; v2(145.688,61.312) 145.769,61.312 146.178,61.72 146.22,61.72 146.25,61.75 C11.1 ; v2(146.75,41.5) 146.8,41.55 146.8,42.45 147.125,42.775 C13.1 ; v2(149.25,59) 149.25,59.081 149.5,59.331 SW3.1 ; SW5.1 v2(150.25,44.75)
  other v1: 148,41 156.5,41 159.25,41 178.75,43 167,44 183.25,45 167.5,46.25 183.25,47 172.25,49.75 174,49.75 175.75,49.75 177.5,49.75 171.5,51 173.75,51 175.75,51 146,51.75 148,51.75 180,51.75 115.25,52 158.25,53 178.5,53 146,53.5 148,53.5 176.75,54.25 131.25,54.75 144.25,54.75 115.25,55.5 158.25,55.5 144.25,56.25 128,57 134,57 146,57.75 115.25,58.5 164.75,59.75 166.5,59.75 124,60 130,60 168,61 115.25,61.25 169.25,62.5 121,63 127,63 141.5,63 163.75,64 170.5,64 115.25,64.25 158.5,64.25 156.5,65 118.75,65.25 152.75,65.25 161,65.5 158.5,65.75 124,66 156.5,66.5 183,66.75 115.25,67.25 152.75,67.25 158.5,67.25 140,68 143.25,68 156.5,68.25 183,68.25 183,69.75 149,70.75 173,71 164.5,72 173.5,73 176,73
Green: R17.2 U1.14 | length 40.9
  L1 (Signal) w0.25: v2(161,66.75) 163.115,66.75 163.74,66.125 U1.14
  L4 (Signal) w0.25: R17.2 133.5,64.025 142.475,73 159,73 160.5,71.5 160.5,67.25 v2(161,66.75)
Laser: P4.1 U1.30 | length 22.4
  L1 (Signal) w0.25: v2(169.5,46.5) 169.5,46.622 169.765,46.887 169.765,47.675 U1.30
  L4 (Signal) w0.25: P4.1 153.75,43.25 155,42 166.5,42 170,45.5 170,45.975 169.5,46.475 v2(169.5,46.5)
LEFT_pin: C11.2 R11.1 R14.2 U1.12 | length 27.3
  L1 (Signal) w0.25: v2(166.25,63.75) 166.25,65.72 U1.12
  L4 (Signal) w0.25: R11.1@144.25,64.25 C11.2@146.25,64.25 ; R14.2@146.5,66.375 146.25,66.125 C11.2@146.25,64.25 ; v2(166.25,63.75) 166.25,63.628 165.975,63.353 165.975,63.177 165.798,63 156,63 154.775,64.225 C11.2 C11.2@146.25,64.25
NetC4_2: C4.2 R21.1 SW2.2 | length 13.9
  L1 (Signal) w0.4: SW2.2 165.35,71.35 166.25,72.25 170.5,72.25 171.75,71 R21.1 170.734,69.9 170.5,69.666 170.5,69 170.25,68.75 C4.2
NetC5_2: C5.2 R20.1 SW1.2 | length 11.7
  L1 (Signal) w0.25: C5.2 161,45.25 162.25,44 165.25,44 165.35,44 165.25,43.9 165.25,42.75 165.811,42.189 R20.1
NetC7_2: C7.2 U2.4 | length 2.4
  L1 (Signal) w0.3: C7.2 140.411,42.85 140.797,43.235 U2.4
NetC9_1: C9.1 D1.2 P2.2 Q1.3 | length 7.9
  L1 (Signal) w0.25: C9.1 136.025,66.437 136.75,65.712 P2.2 136.728,65.478 136.728,63.851 137.25,63.33 Q1.3
  L1 (Signal) w0.3: C9.1 136.169,68.144 136.169,68.986 136.312,69.129 D1.2
NetLED1_2: LED1.2 R19.1 | length 11
  L4 (Signal) w0.25: LED1.2 126.9,54.2 130.825,58.125 130.975,58.125 131.45,58.6 R19.1
NetLED1_3: LED1.3 R18.1 | length 13.9
  L4 (Signal) w0.25: LED1.3 121.043,58.793 127.75,65.5 129.6,65.5 R18.1
NetLED1_4: LED1.4 R17.1 | length 11.6
  L4 (Signal) w0.25: LED1.4 123.8,57.3 129.25,62.75 R17.1 R17.1@131.15,62.5
NetQ1_1: Q1.1 R7.2 R9.2 | length 4.1
  L1 (Signal) w0.25: R7.2 136.25,59.2 R9.2 136.297,59.347 Q1.1
NetR14_1: R14.1 SW3.2 | length 3.1
  L4 (Signal) w0.3: R14.1 148.375,67.875 148.476,67.774 149.476,67.774 SW3.2
NetR15_1: R15.1 SW4.2 | length 3.2
  L4 (Signal) w0.3: SW4.2 139.221,58.5 139.497,58.776 140.6,58.776 R15.1
NetR16_1: R16.1 SW5.2 | length 3.7
  L4 (Signal) w0.3: R16.1 147.4,47.625 148.641,48.866 149.766,48.866 SW5.2
OK_pin: C12.2 R12.1 R15.2 U1.11 | length 35.5
  L1 (Signal) w0.3: U1.11 167.55,64.308 167.75,64.108 v2(167.75,64)
  L4 (Signal) w0.25: C12.2 140.564,56.961 R15.2 140.778,57.175 141.58,57.175 141.91,57.506 142.837,57.506 R12.1 144.218,57.468 146.405,59.655 146.405,60.655 148.772,63.022 155.228,63.022 156.25,62 166,62 167.082,63.082 167.082,63.332 v2(167.75,64)
Red: R18.2 U1.13 | length 43.6
  L1 (Signal) w0.25: v2(165,64.25) 165.01,64.26 U1.13
  L4 (Signal) w0.25: R18.2 132.8,66.55 134,67.75 135.75,67.75 141.5,73.5 159.316,73.5 165,67.816 v2(165,64.25)
RIGHT_pin: C13.2 R13.1 R16.2 U1.10 | length 41.6
  L1 (Signal) w0.3: U1.10 168.82,64.475 169.25,64.045 v2(169.25,64)
  L4 (Signal) w0.25: R13.1 147.175,45.8 R16.2 ; C13.2 R16.2 ; v2(169.25,64) 166.25,61 154.75,61 154.199,60.449 154.199,50.262 149.812,45.875 R16.2
RX: P1.1 U1.34 | length 7.8
  L1 (Signal) w0.25: P1.1 P1.1@172.5,42.08 ; 172.5,43.104 172.646,43.25 173.75,43.25 175.17,44.67 U1.34
  L1 (Signal) w0.3: P1.1@172.5,42.08 172.5,43.104
SCL: O1.3 P6.3 R2.1 U1.36 | length 38.3
  L1 (Signal) w0.25: P6.3 152.726,54.428 156.678,54.428 O1.3 ; U1.36 177.71,46.79 178,46.5 ; 178,46.55 178,46.5 ; v2(178.746,44.304) 178.66,44.39 178.284,44.39 178,44.675 R2.1 178,46.5
  L4 (Signal) w0.25: P6.3 P6.3@152.726,54.428 ; O1.3 156.86,54.61 159.207,54.61 161.817,52 176.75,52 178.746,50.004 v2(178.746,44.304)
SDA: O1.4 P6.4 R1.1 U1.33 | length 29.6
  L1 (Signal) w0.25: P6.4 152.746,51.908 156.658,51.908 O1.4 ; v2(171.203,46.252) 171.262,46.193 171.262,45.171 171.433,45 R1.1 172.25,46 172.875,46.625 173.375,46.625 173.75,47 173.75,47.85 U1.33
  L4 (Signal) w0.25: P6.4 P6.4@152.746,51.908 ; O1.4 156.798,51.952 157.979,51.952 159.452,50.479 170.802,50.479 171.262,50.019 171.262,46.311 v2(171.203,46.252)
Touch_1: P5.2 U1.8 | length 22.9
  L1 (Signal) w0.25: P5.2 153.721,71.222 154.94,72.441 162.281,72.441 163.347,71.374 163.347,68.986 164.715,67.619 169.935,67.619 169.965,67.648 170.172,67.648 171.035,66.785 171.035,66.075 U1.8
Touch_2: P5.1 U1.9 | length 26
  L1 (Signal) w0.25: P5.1 151.155,71.095 151.155,69.977 151.638,69.494 154.28,69.494 155.141,70.356 155.141,71.328 155.365,71.552 161.62,71.552 162.408,70.764 162.408,68.783 164.022,67.169 169.907,67.169 170.09,66.986 U1.9
TX: P1.3 U1.35 | length 6.6
  L1 (Signal) w0.25: U1.35 176.25,47.81 176.25,44.649 177.5,43.399 177.5,43.074
  L1 (Signal) w0.3: P1.3 177.5,43.074
VBAT+: P3.2 U3.3 | length 9.1
  L1 (Signal) w0.4: P3.2 127.991,46.279 127.991,47.219 128.314,47.542 U3.3
VBAT-: P3.1 U3.2 | length 5.9
  L1 (Signal) w0.4: P3.1 121.412,44.374 122.957,45.919 U3.2
VIBE_1: R7.1 U1.27 | length 35.4
  L1 (Signal) w0.25: R7.1 138.533,57.25 145.533,50.25 v2(157,50.25)
  L1 (Signal) w0.3: U1.27 166.395,47.885 166.339,47.828 v2(166.339,45.966)
  L4 (Signal) w0.25: v2(157,50.25) 158.589,50.25 162.872,45.966 v2(166.339,45.966)
pads on no net: SW6. SW6.3 SW6.4 U1.4 U1.5 U1.6 U1.7 U1.17 U1.18 U1.19 U1.20 U1.21 U1.22 U1.23 U1.24 U1.26 U1.29 U1.31 U1.32 U1.37 U1.39 U3.5 U3.6

## Polygon pours and split planes (outlines as drawn)
GND on L2 (GND) "GND_L02_P005" (solid, pour order 5): 135,71.5 115.25,71.5 ccw(c115.25,70.75) 114.5,70.75 114.5,41 ccw(c115.25,41) 115.25,40.25 183,40.25 ccw(c183,41.5) 184.25,41.5 184.25,46.5 ccw(c183.25,46.5) 183.25,47.5 182.25,47.5 cw(c182.25,48.5) 181.25,48.5 181.25,66 cw(c181.5,66) 181.5,66.25 184,66.25 ccw(c183.396,66.854) 184.25,66.854 184.25,73 184.244,73.006 ccw(c182.448,71.21) 182.448,73.75 137.75,73.75
GND on L3 (GND) "GND_L03_P006" (solid, pour order 6): 135,71.5 115.25,71.5 ccw(c115.25,70.75) 114.5,70.75 114.5,41 ccw(c115.25,41) 115.25,40.25 183,40.25 ccw(c183,41.5) 184.25,41.5 184.25,46.5 ccw(c183.25,46.5) 183.25,47.5 182.25,47.5 cw(c182.25,48.5) 181.25,48.5 181.25,66 cw(c181.5,66) 181.5,66.25 184,66.25 ccw(c183.396,66.854) 184.25,66.854 184.25,73 184.244,73.006 ccw(c182.448,71.21) 182.448,73.75 137.75,73.75
3V7 on L1 (Signal) "3V7_L01_P011" (solid, pour order 11): 114.5,49.5 114.5,41 115.25,40.25 146,40.25 146,47.5 137.25,54 119,54 115.5,50.5 119,54 115.5,50.5

## Silkscreen, mask and mechanical layers (free items; w line width, h text height)
Top Overlay:
  text "Reset" at 160.2,71.7 h1
  text "Touch" at 150.7,68.2 h1
  text "Vibe" at 142.2,63.9 h1 r90
  text "3V3" at 148.95,56.45 h1
  text "SCL" at 148.95,53.7 h1
  text "Charger" at 116.967,52.2 h1 r90
  text "SDA" at 148.95,51.2 h1
  text "+" at 123.7,43.783 h1
  text "BAT" at 125.95,42.95 h1
  text "Laser" at 152.45,41.2 h1
  text "Boot" at 160.45,40.7 h1
  text "Prog" at 183.217,40.7 h1 r90
Bottom Overlay:
  drawing of 22 lines, arcs and shapes, not listed
  text "L" at 142.3,67.3 h1 r90
  text "OLED Display" at 162.967,59.8 h1 r90
  text "MPU6050" at 150.8,57.8 h1 r90
  text "Ok" at 142.8,55.8 h1 r90
  text "v1.0" at 117.8,54.3 h1 r90
  text "GND" at 175.05,46.8 h1 r90
  text "3V3" at 180.55,46.8 h1 r90
  text "Rx" at 172.8,45.8 h1 r90
  text "Tx" at 177.8,45.8 h1 r90
  text "R" at 142.8,44.8 h1 r90
  text "SW" at 136.8,42.2 h1
Mechanical 1:
  lines w0.254: 114,41.27 ccw(c115.27,41.27) 115.27,40 183.23,40 ccw(c183.23,41.27) 184.5,41.27 184.5,72.73 ccw(c183.23,72.73) 183.23,74 176.5,74 161.192,74 140.5,74 137.5,74 135.342,71.842 117.428,71.842 114.842,71.842 ccw(c114.842,71) 114,71 114,41.27

## Text inside footprints (layer, text, board x,y; h text height)
U3: Top Overlay "IN+" at 133.108,68.342 h0.7 r270; Top Overlay "OUT+" at 133.305,52.042 h0.7 r270; Top Overlay "IN-" at 119.108,68.242 h0.7 r270; Top Overlay "OUT-" at 119.208,52.042 h0.7 r270; Top Overlay "BAT-" at 122.49,51.979 h0.7 r270; Top Overlay "BAT+" at 129.905,52.042 h0.7 r270